# Altium PCB MPPT_Charger.PcbDoc (part 1 of 2)
Units mm, origin at the board's own origin, x right, y up, seen from the top; angles counter-clockwise.
Board outline 91.3 x 74.3 mm, 4 copper layers (Top Layer, Mid-Layer 1, Mid-Layer 2, Bottom Layer), stack 1.581 mm thick; 113 components, 75 nets, 367 pads, 566 vias.
Unrouted connection lines stored in the file: 70.
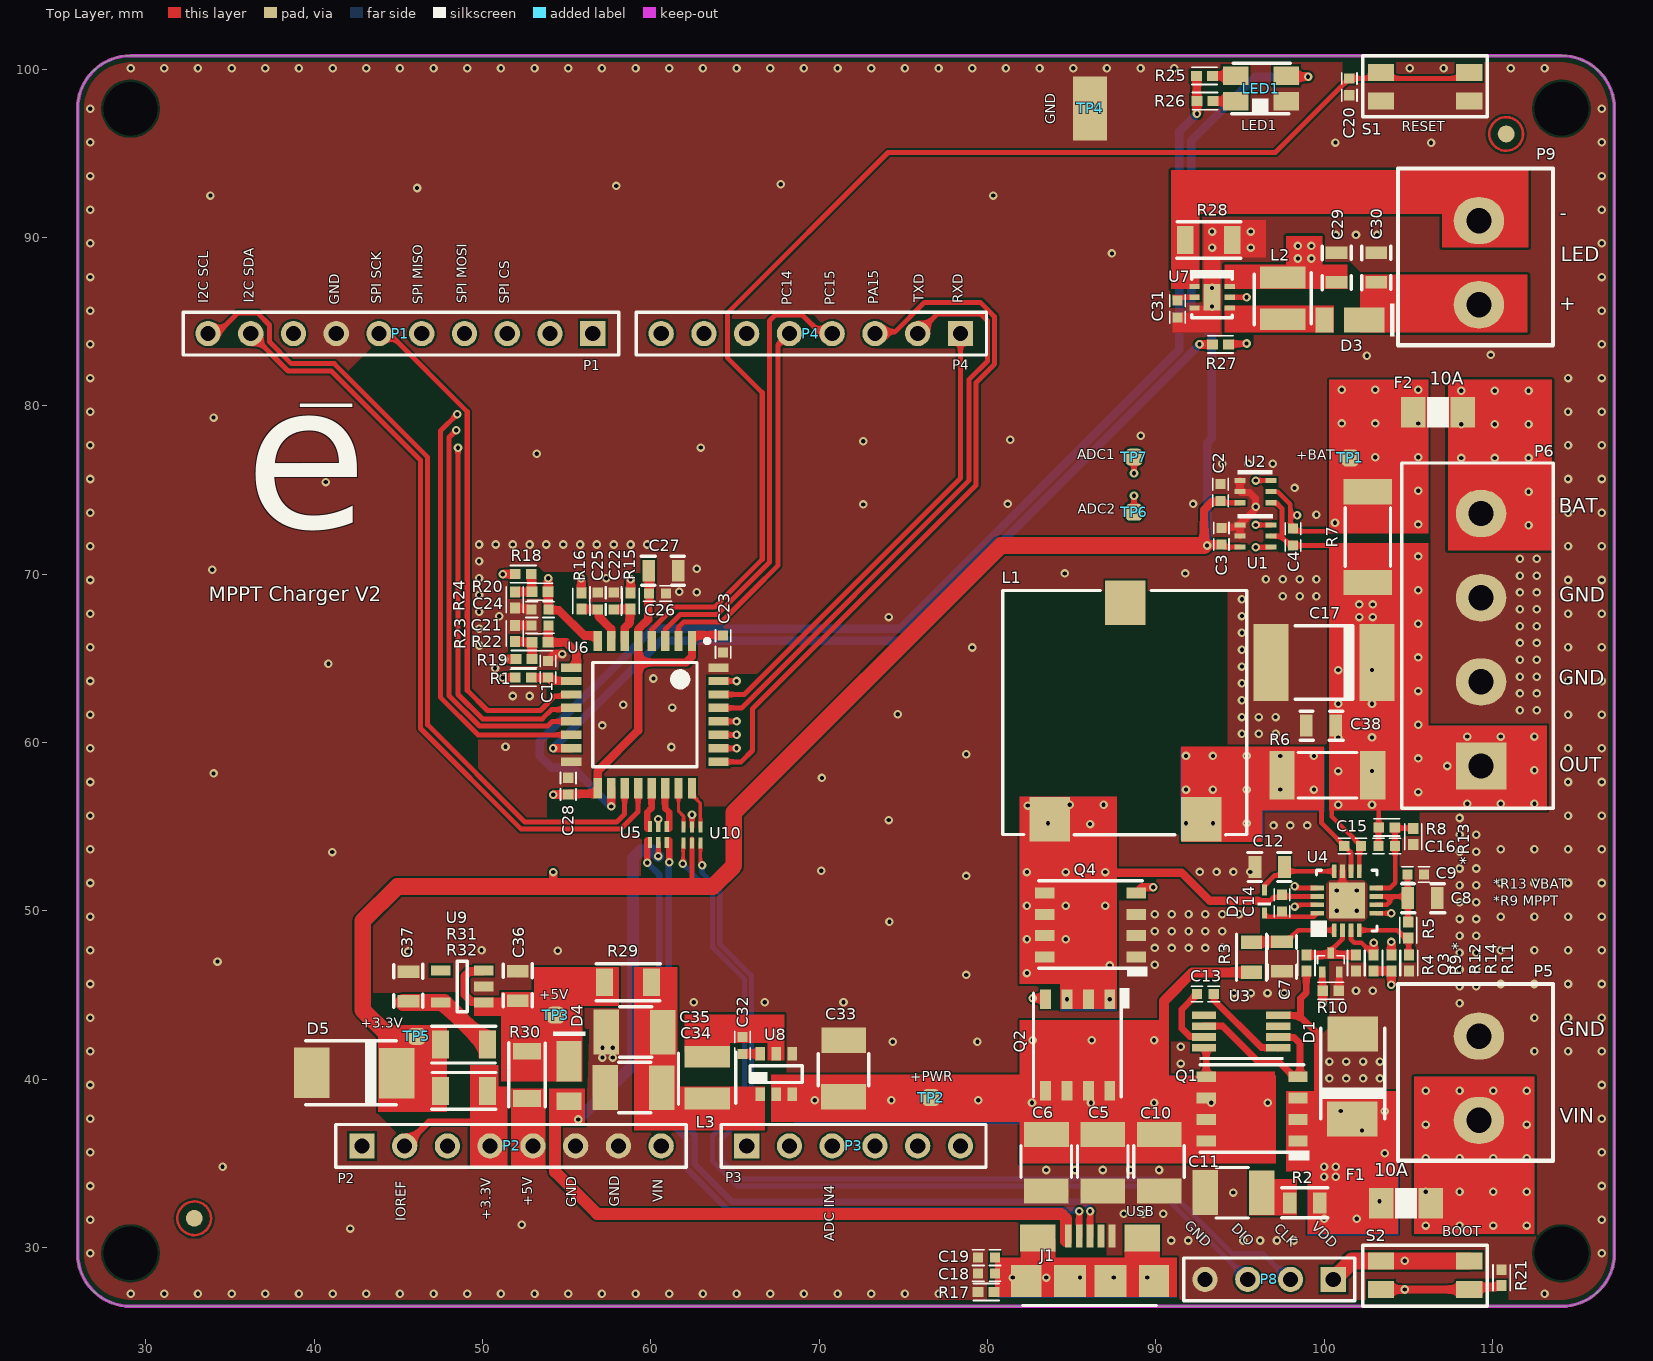
[diagram p0: Top Layer view]
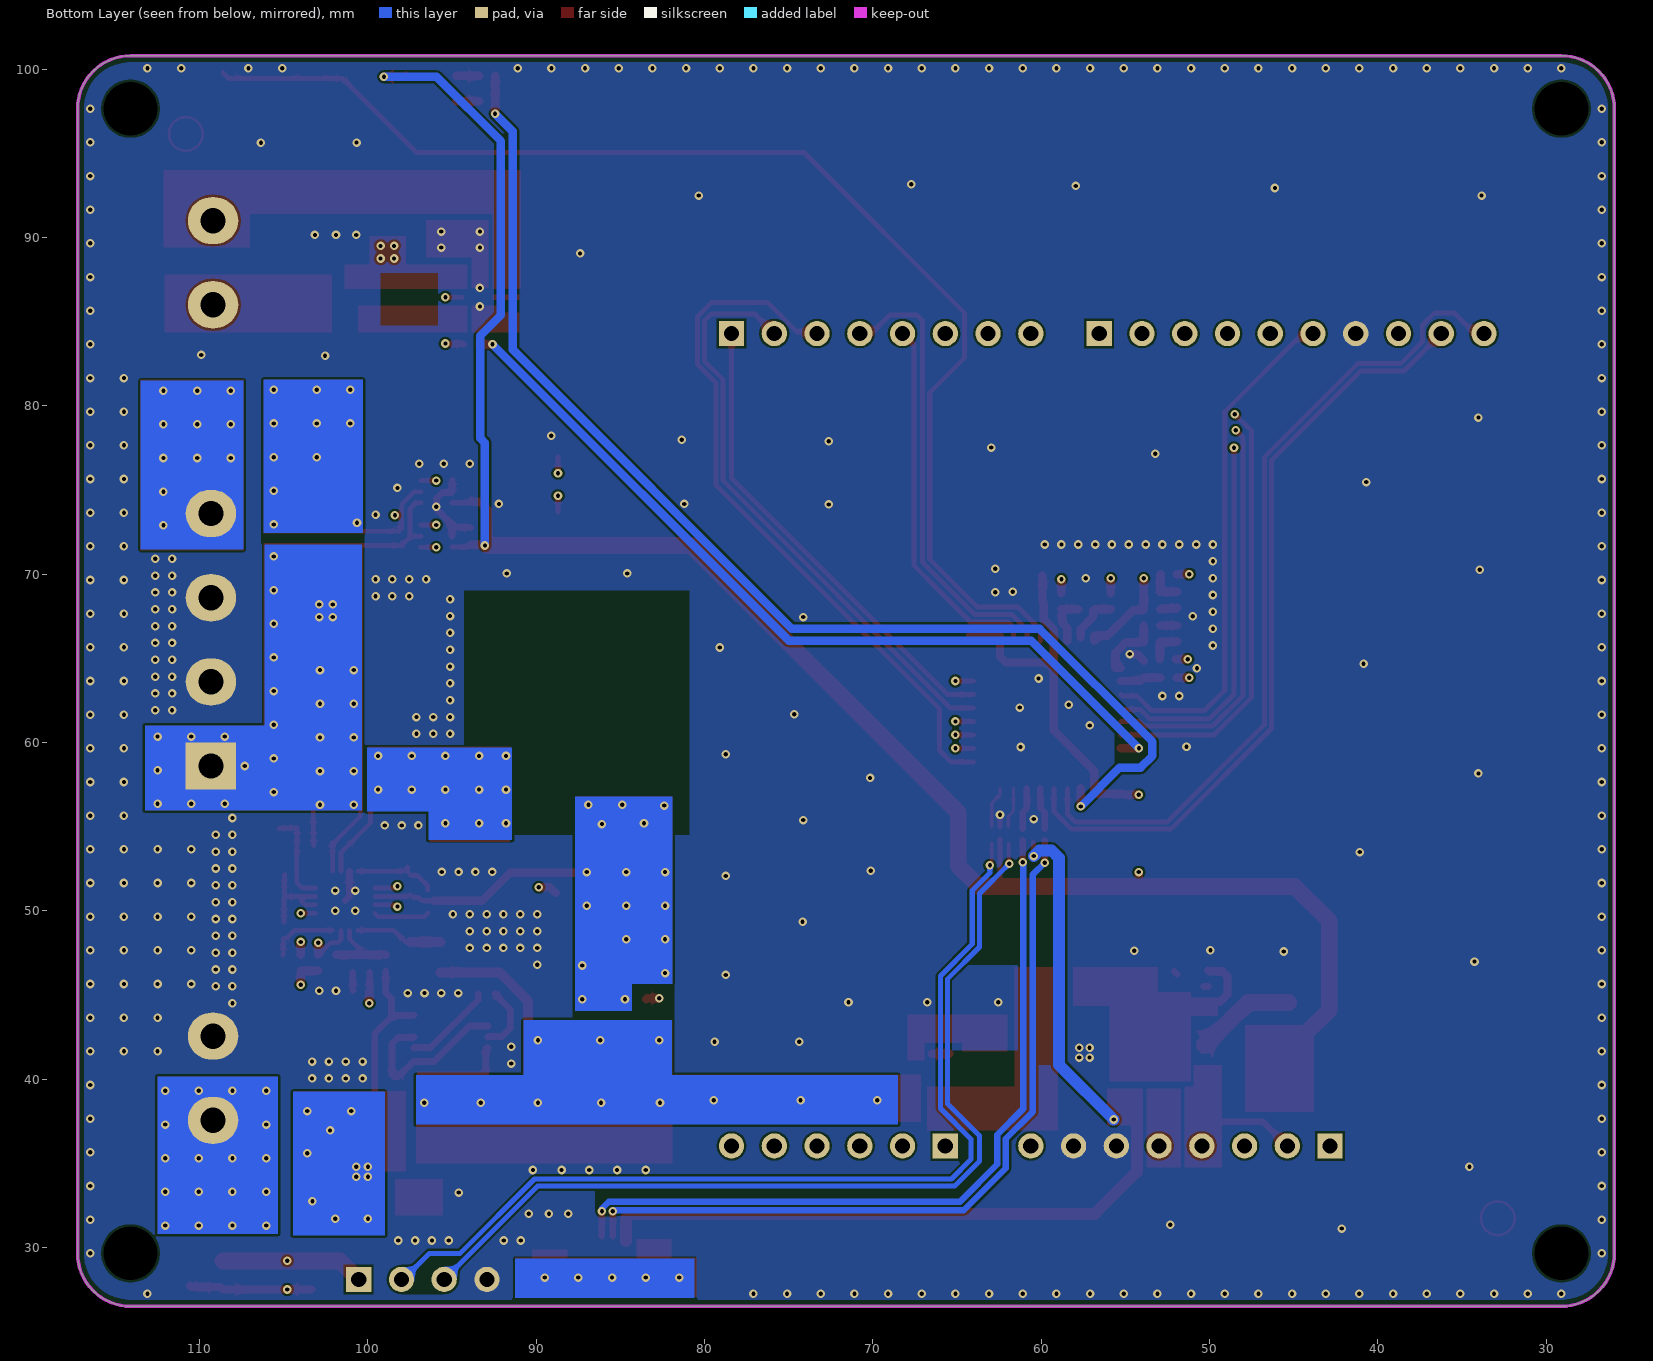
[diagram p1: Bottom Layer view, seen from below]
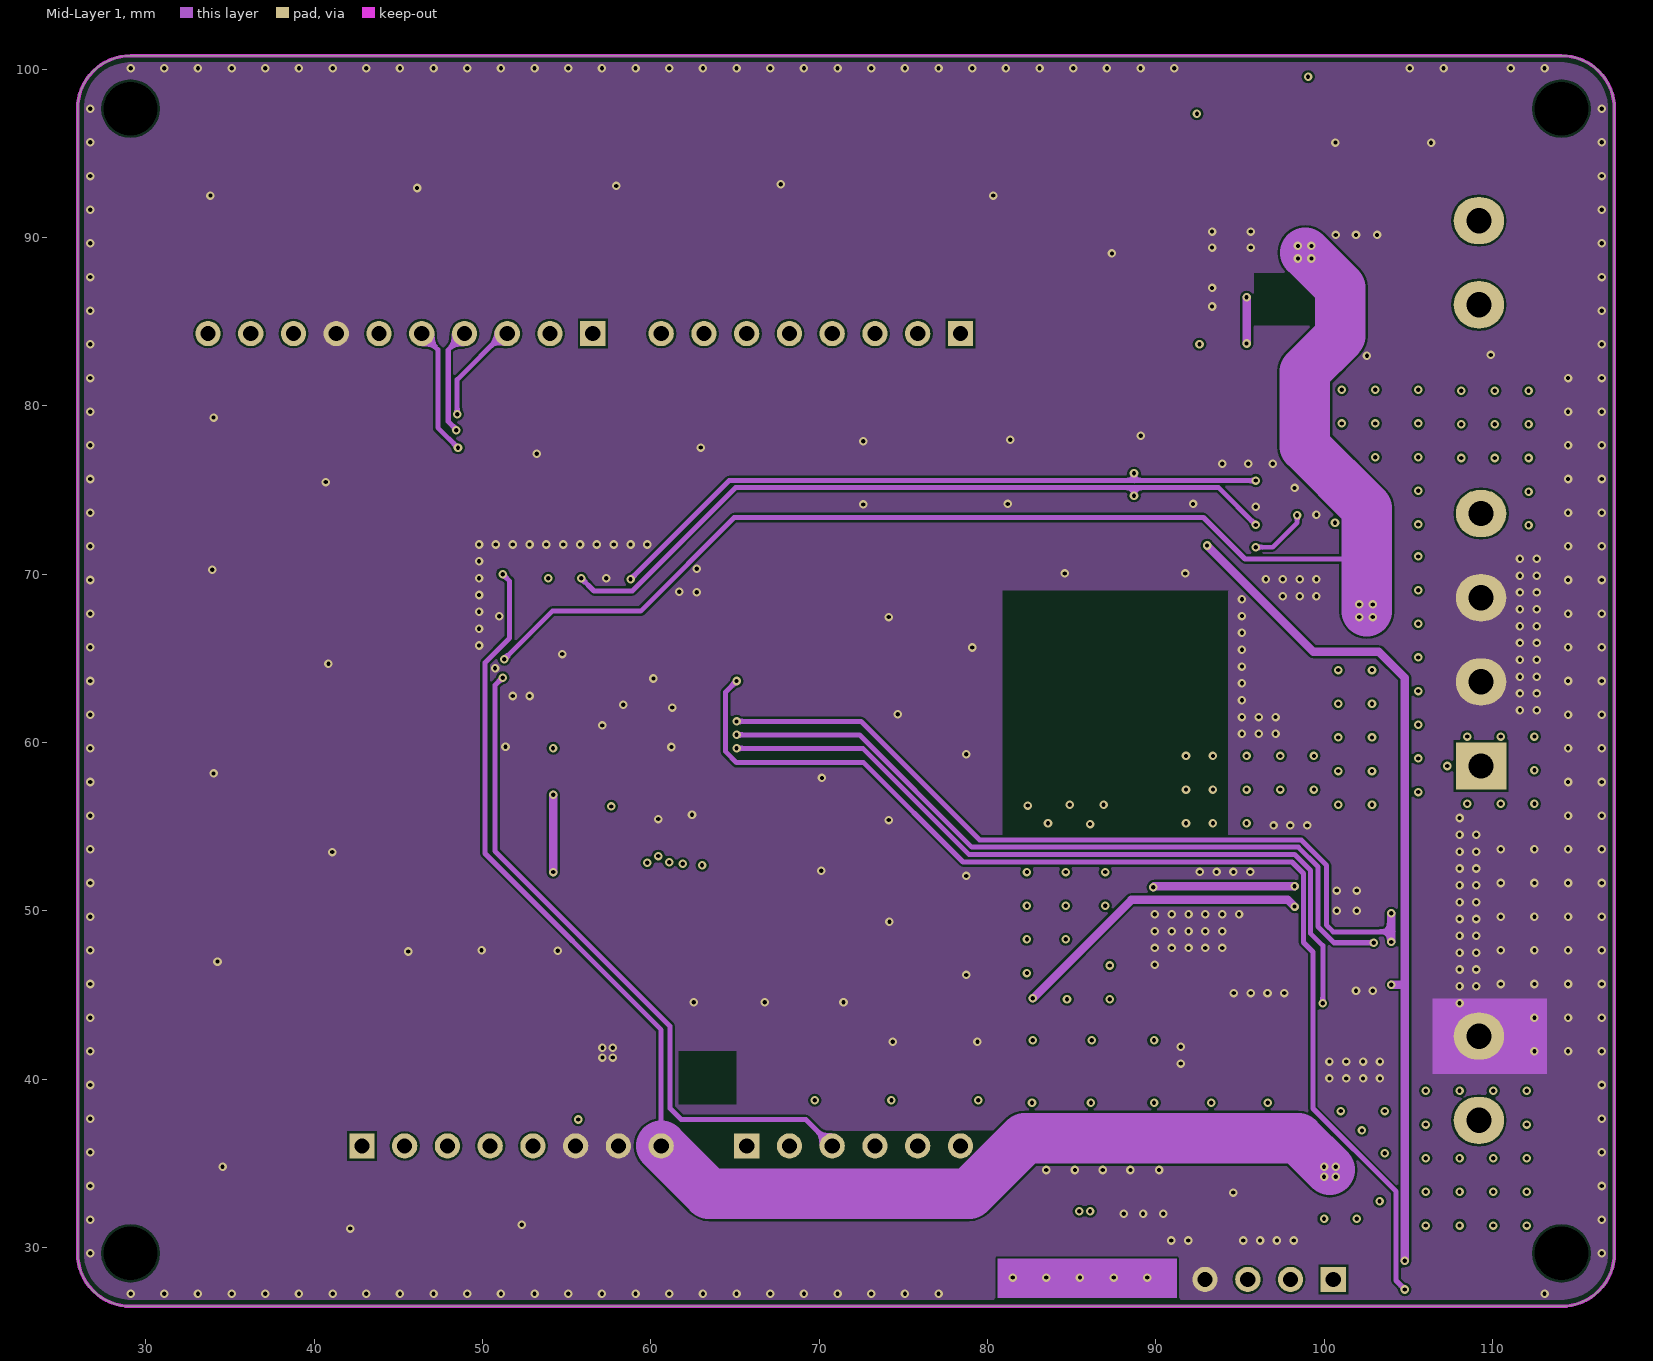
[diagram p2: Mid-Layer 1]
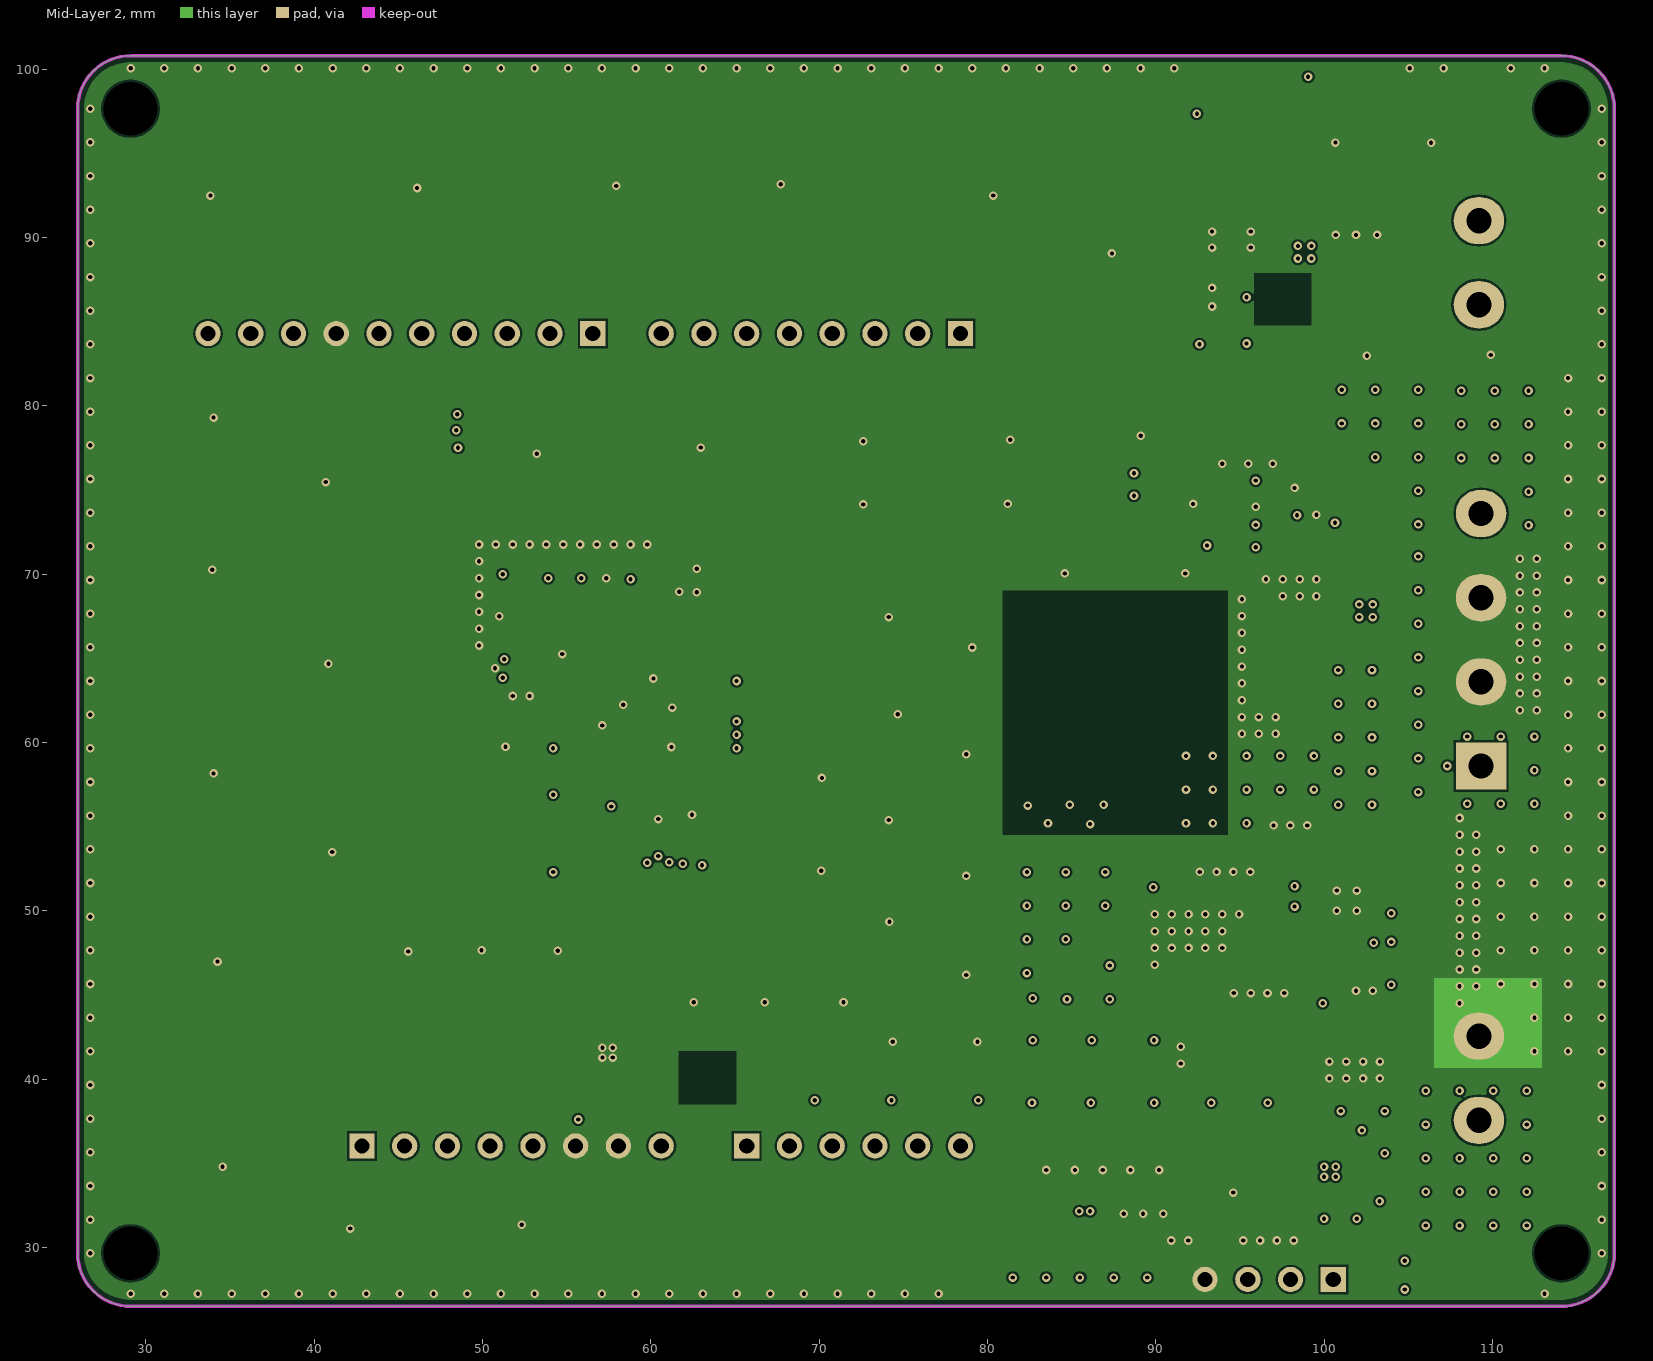
[diagram p3: Mid-Layer 2]
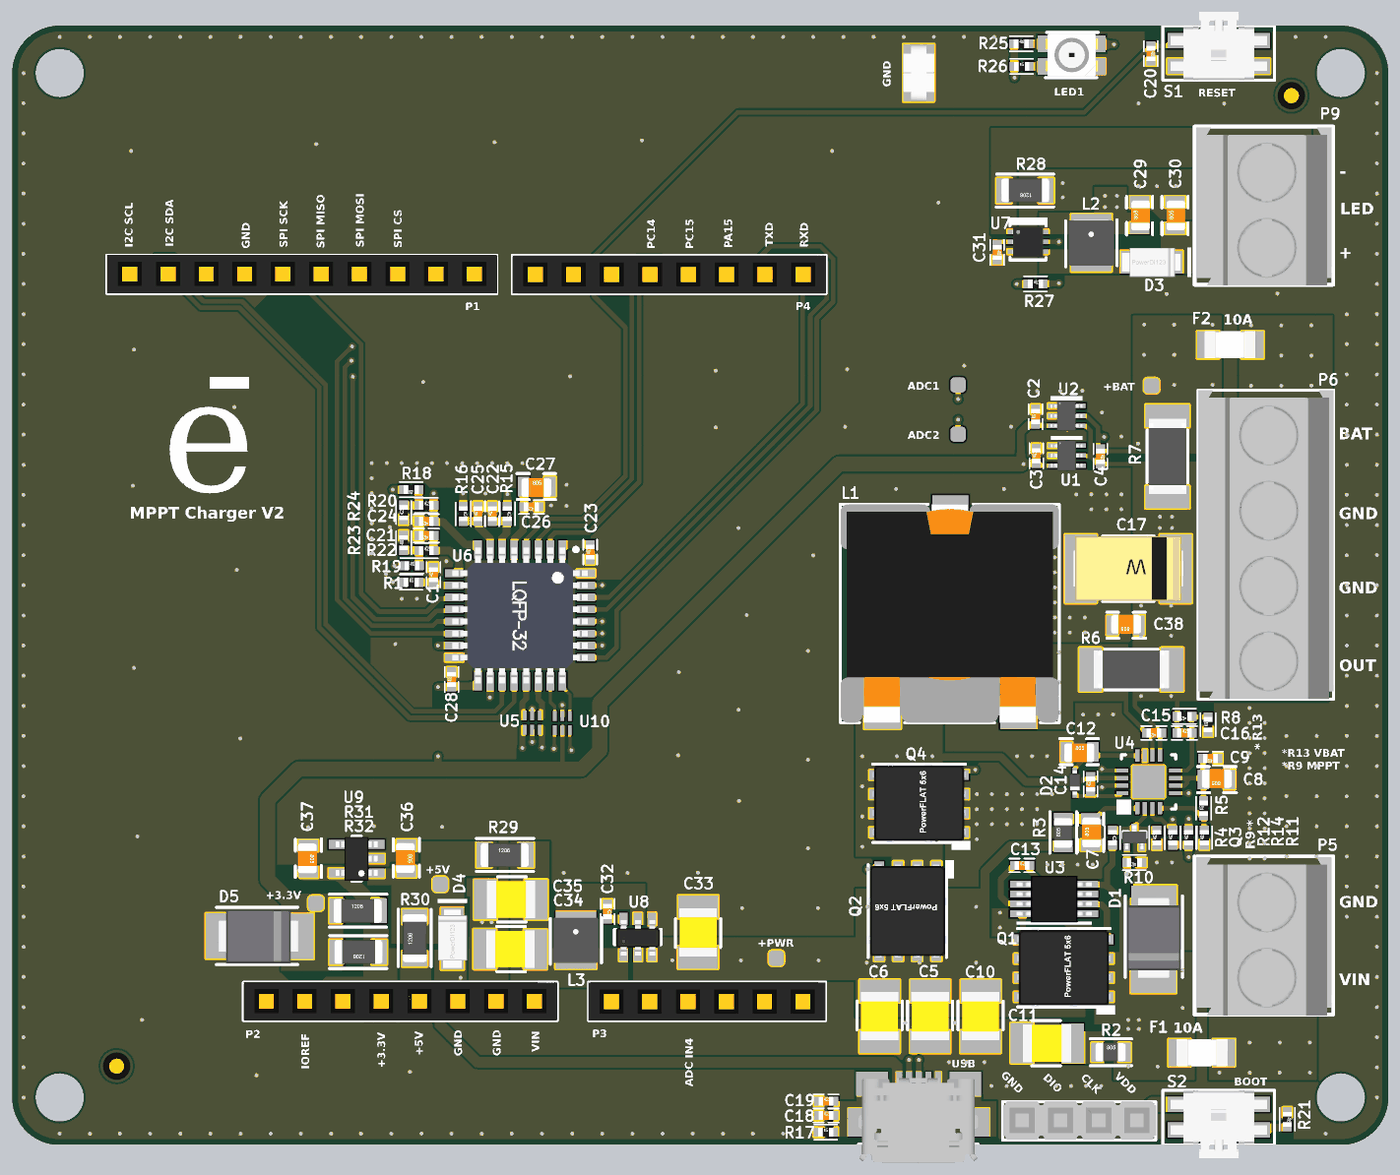
[diagram p5: 3D render of the assembled board from above, using the file's embedded part models]

## Layer stack, top to bottom
Top Solder: solder mask 0.03, Solder Resist, Dk 3.5
Top Layer: signal copper 0.0356
Dielectric 2: prepreg 0.12, FR4, Dk 4.2
Mid-Layer 1: signal copper 0.035
Dielectric 1: dielectric 1.2, FR-4, Dk 4.2
Mid-Layer 2: signal copper 0.035
Dielectric 3: prepreg 0.12, FR4, Dk 4.2
Bottom Layer: signal copper 0.0356
Bottom Solder: solder mask 0.03, Solder Resist, Dk 3.5

## Board outline
25.95,29.65 25.95,97.65 cw(c29.1,97.65) 29.1,100.8 114.1,100.8 cw(c114.1,97.65) 117.25,97.65 117.25,29.65 cw(c114.1,29.65) 114.1,26.5 29.1,26.5 cw(c29.1,29.65)

## Design rules (kind name [scope] priority, off if disabled: settings)
BoardOutlineClearance [All  And   Not OnTopSilkscreen] p1: gap=0.381 ignorepadtopadclearanceinfootprint=FALSE
Clearance [All] p1: gap=0.127 ignorepadtopadclearanceinfootprint=FALSE
DiffPairsRouting [All] p1: maxlimit=0.254 minlimit=0.254 mostfreqgap=0.254 toplayer_minwidth=0.381 toplayer_maxwidth=0.381 toplayer_prefwidth=0.381 midlayer1_minwidth=0.381 midlayer1_maxwidth=0.381 midlayer1_prefwidth=0.381 midlayer2_minwidth=0.381 midlayer2_maxwidth=0.381 midlayer2_prefwidth=0.381 bottomlayer_minwidth=0.381 bottomlayer_maxwidth=0.381 bottomlayer_prefwidth=0.381 maxuncoupledlength=12.7
HoleSize [All] p1: absolutevalues=TRUE maxlimit=12 minlimit=0.254 maxpercent=80.000 minpercent=20.000
MinimumAnnularRing [All] p1: minimumring=0.102
MinimumSolderMaskSliver [All] p1: minsoldermaskwidth=0
PolygonConnect [All] p1: connectstyle=Direct reliefconductorwidth=0.4 reliefentries=4 polygonreliefangle="90 Angle" airgapwidth=0.254
RoomDefinition Power [InComponentClass('Power')] p1: confinementstyle=ConfineIn formatcopy=TRUE lockcomponents=FALSE outline 28.9,28.7 117.3,28.7 117.3,106.3 28.9,106.3
RoomDefinition "LED Driver" [InComponentClass('LED Driver')] p2: confinementstyle=ConfineIn formatcopy=TRUE lockcomponents=FALSE outline 26.6,22.3 125,22.3 125,107.6 26.6,107.6
RoomDefinition Controller [InComponentClass('Controller')] p3: confinementstyle=ConfineIn formatcopy=TRUE lockcomponents=FALSE outline 28.4,22.5 119,22.5 119,108.5 28.4,108.5
RoomDefinition Charger [InComponentClass('Charger')] p4: confinementstyle=ConfineIn formatcopy=TRUE lockcomponents=FALSE outline 23.4,10.9 130.4,10.9 130.4,117.2 23.4,117.2
RoomDefinition Arduino [InComponentClass('Arduino')] p5: confinementstyle=ConfineIn formatcopy=TRUE lockcomponents=FALSE outline 28.1,23.2 122,23.2 122,113.5 28.1,113.5
RoutingVias [All] p1: holewidth=0.254 width=0.508 viastyle="Through Hole" minholewidth=0.254 minwidth=0.508 maxholewidth=5 maxwidth=1
SilkToSilkClearance [All] p1: silktosilkclearance=0
SilkToSolderMaskClearance [IsPad] p1: minsilkscreentomaskgap=0 clearancetoexposedcopper=TRUE
SolderMaskExpansion [All] p1: expansion=0.102
Width [All] p1: maxlimit=4 minlimit=0.127 preferedwidth=0.4
25 further rules are at their usual default settings.
